# Altium PCB VNA_BASE_AF2P.PcbDoc (part 1 of 3) (continued)
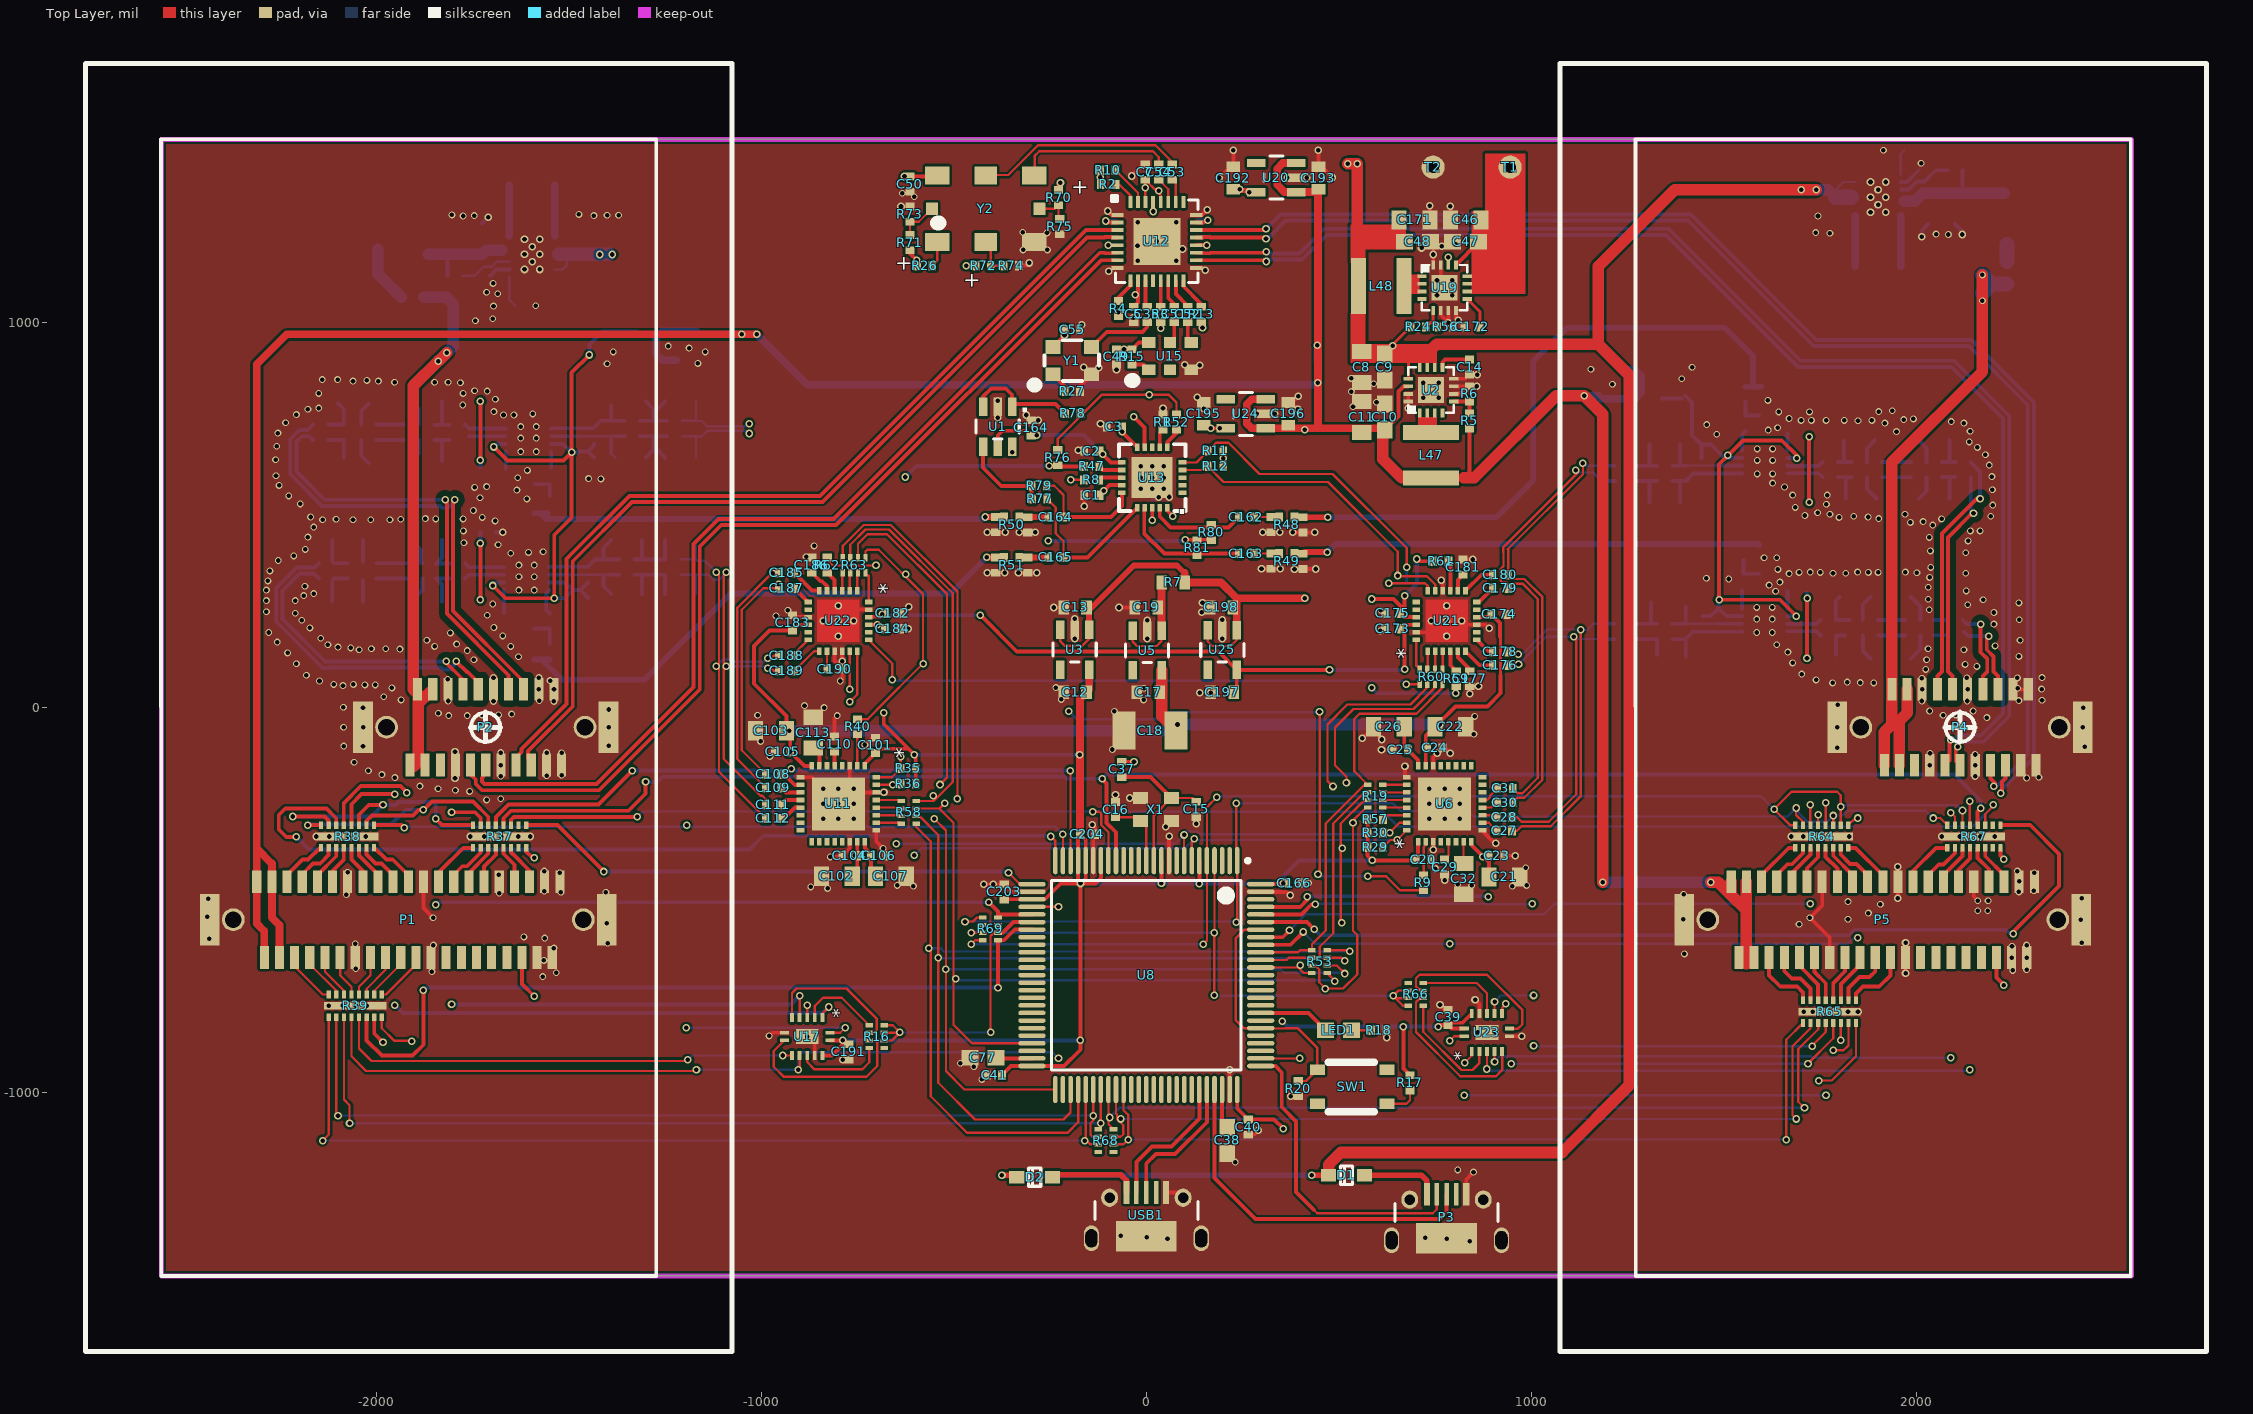
[diagram p0: Top Layer view]
## Components (designator, comment, footprint, x,y, rotation, side; value= is the part's Value field where it differs from the comment)
C1 "0.1uF" 0402 -141.69,551.48 r0 top
C2 "0.1uF" 0402 -141.69,666.48 r0 top
C3 "0.1uF" 0402 -83,729 r0 top
C4 "0.1uF" 0402 15.31,518.74 r270 bottom
C5 "0.1uF" 0402 -32.48,1021.1 r90 top
C6 "0.1uF" 0402 105,1200 r0 bottom
C7 "0.1uF" 0402 -2.48,1391.1 r270 top
C8 "Cap" 0805 559.69,884.69 r270 top value="22uF 25V"
C9 "Cap" 0603 619.69,884.69 r270 top value="4.7uF 25V"
C10 "Cap" 0603 619.69,754.69 r270 top value="4.7uF 25V"
C11 "Cap" 0805 559.69,754.69 r270 top value="22uF 25V"
C12 "4.7uF" 0603L -185,40 r0 top
C13 "4.7uF" 0603L -185,260 r0 top
C14 "3.3nF" 0402 839.69,884.69 r270 top
C15 "Cap" 0402 130,-265 r90 top value=20pF
C16 "Cap" 0402 -80,-265 r270 top value=20pF
C17 "4.7uF" 0603L 5,40 r0 top
C18 "220uF,Tan" 1210 10,-60 r0 top
C19 "4.7uF" 0603L 0,260 r0 top
C20 "0.1uF" 0402 720,-395 r180 top
C21 "4.7uF" 0805 930,-440 r180 top
C22 "4.7uF" 0805 790,-50 r180 top
C23 "0.1uF" 0402 910,-385 r180 top
C24 "0.1uF" 0402 750,-105 r180 top
C25 "0.1uF" 0402 660,-110 r0 top
C26 "4.7uF" 0805 630,-50 r0 top
C27 "10uF" 0402 930,-320 r0 top
C28 "10uF" 0402 930,-285 r0 top
C29 "4.7uF" 0402 775,-415 r90 top
C30 "10uF" 0402 932,-247 r180 top
C31 "10uF" 0402 932,-210 r180 top
C32 "22uF" 0805 825,-445 r90 top
C33 "0.1uF" 0402 -55,1200 r180 bottom
C34 "0.1uF" 0402 105,1260 r0 bottom
C35 "0.1uF" 0402 2.52,1021.1 r90 top
C36 "0.1uF" 0402 54.68,518.74 r270 bottom
C37 "0.1uF" 0402 -64,-161 r90 top
C38 "2.2uF" 0603 210,-1125 r90 top
C39 "0.1uF" 0402 784,-805 r270 top
C40 "Cap" 0402 265,-1090 r90 top value=0.1uF
C41 "Cap" 0402 -395,-955 r0 top value=0.1uF
C42 "1uF" 0805 -1762,979 r0 bottom value=10uF/16V
C43 "22uF" 0805 1781.17,1295.87 r270 bottom value=10uF/16V
C44 "22uF" 0805 1711.17,1295.87 r270 bottom value=10uF/16V
C45 "22uF" 0805 -1761,1049 r0 bottom value=10uF/16V
C46 "Cap" 0805 829.85,1266.8 r180 top value="22uF 25V"
C47 "Cap" 0603 830,1210 r180 top value="4.7uF 25V"
C48 "Cap" 0603 705,1210 r180 top value="4.7uF 25V"
C49 "0.1uF" 0402 -77.48,911.1 r90 top
C50 "0.1uF" 0402 -613.95,1359.77 r90 top
C51 "0.1uF" 0402 72.52,1021.1 r90 top
C52 "0.1uF" 0402 107.52,1021.1 r90 top
C53 "0.1uF" 0402 67.52,1391.1 r270 top
C54 "0.1uF" 0402 32.52,1391.1 r270 top
C55 "0.1uF" 0402 -192.48,981.1 r180 top
C56 "0.1uF" 0402 -1610,205 r0 bottom
C57 "0.1uF" 0402 -1590,145 r270 bottom
C58 "1nF" 0402 -1550,225 r270 bottom
C59 "1nF" 0402 -1650,245 r0 bottom
C60 "1uF" 0402 -1450,265 r90 bottom
C61 "100pF" 0402 -2130,335 r0 bottom
C62 "100pF" 0402 -2075,355 r270 bottom
C63 "100pF" 0402 -2020,335 r0 bottom
C64 "100pF" 0402 -1845,355 r270 bottom
C65 "100pF" 0402 -1790,335 r0 bottom
C66 "100pF" 0402 -1410,365 r270 bottom
C67 "100pF" 0402 -1350,345 r0 bottom
C68 "100pF" 0402 -1290,365 r270 bottom
C69 "100pF" 0402 -1230,345 r0 bottom
C70 "100pF" 0402 -1170,365 r270 bottom
C71 "100pF" 0402 -2020,375 r0 bottom
C72 "100pF" 0402 -1900,335 r0 bottom
C73 "100pF" 0402 -1790,375 r180 bottom
C74 "100pF" 0402 -1350,385 r180 bottom
C75 "100pF" 0402 -1230,385 r180 bottom
C76 "100pF" 0402 -2130,375 r0 bottom
C77 "2.2uF" 0603 -425,-910 r0 top
C78 "0.1uF" 0402 -1610,580 r0 bottom
C79 "0.1uF" 0402 -1590,525 r270 bottom
C80 "1nF" 0402 -1550,600 r270 bottom
C81 "1nF" 0402 -1650,615 r0 bottom
C82 "1uF" 0402 -1435,630 r90 bottom
C83 "100pF" 0402 -1910,695 r0 bottom
C84 "100pF" 0402 -1790,695 r0 bottom
C85 "100pF" 0402 -2145,695 r0 bottom
C86 "1uF" 0805 -1795.68,1217.63 r90 bottom value=10uF/16V
C87 "1uF" 0805 -1465.68,1217.63 r90 bottom value=10uF/16V
C88 "22uF" 0805 -1395.68,1217.63 r90 bottom value=10uF/16V
C89 "22uF" 0805 -1725.68,1217.63 r90 bottom value=10uF/16V
C90 "100pF" 0402 -1335,705 r0 bottom
C91 "100pF" 0402 -1280,725 r270 bottom
C92 "100pF" 0402 -1225,705 r0 bottom
C93 "100pF" 0402 -1170,725 r270 bottom
C94 "100pF" 0402 -1335,745 r180 bottom
C95 "100pF" 0402 -1225,745 r180 bottom
C96 "100pF" 0402 -1965,715 r90 bottom
C97 "100pF" 0402 -2145,735 r0 bottom
C98 "100pF" 0402 -2020,735 r0 bottom
C99 "100pF" 0402 -1910,735 r180 bottom
C100 "100pF" 0402 -1790,735 r180 bottom
C101 "0.1uF" 0402 -703.79,-98.07 r270 top
C102 "4.7uF" 0805 -803.79,-438.07 r0 top
C103 "4.7uF" 0805 -975,-60 r0 top
C104 "0.1uF" 0402 -770,-385 r0 top
C105 "0.1uF" 0402 -945,-115 r0 top
C106 "0.1uF" 0402 -695,-385 r180 top
C107 "4.7uF" 0805 -663.79,-438.07 r180 top
C108 "10uF" 0402 -968.79,-173.07 r180 top
C109 "10uF" 0402 -968.79,-208.07 r180 top
C110 "4.7uF" 0402 -810,-95 r270 top
C111 "10uF" 0402 -968.79,-253.07 r0 top
C112 "10uF" 0402 -968.79,-288.07 r0 top
C113 "22uF" 0805 -865,-65 r270 top
C114 "0.1uF" 0402 1612.01,758.39 r180 bottom
C115 "0.1uF" 0402 1597.01,813.39 r90 bottom
C116 "1nF" 0402 1557.01,738.39 r90 bottom
C117 "1nF" 0402 1652.01,718.39 r180 bottom
C118 "1uF" 0402 1442.01,703.39 r270 bottom
C119 "100pF" 0402 1892.01,638.39 r180 bottom
C120 "100pF" 0402 1777.01,638.39 r180 bottom
C121 "100pF" 0402 2122.01,638.39 r180 bottom
C122 "100pF" 0402 2067.01,618.39 r90 bottom
C123 "100pF" 0402 2007.01,638.39 r180 bottom
C124 "100pF" 0402 1832.01,618.39 r90 bottom
C125 "100pF" 0402 1402.01,608.39 r90 bottom
C126 "100pF" 0402 1347.01,628.39 r180 bottom
C127 "100pF" 0402 1292.01,608.39 r90 bottom
C128 "100pF" 0402 1237.01,628.39 r180 bottom
C129 "100pF" 0402 1182.01,608.39 r90 bottom
C130 "100pF" 0402 -1960,355 r90 bottom
C131 "100pF" 0402 -1900,375 r180 bottom
C132 "100pF" 0402 1347.01,588.39 r0 bottom
C133 "100pF" 0402 1237.01,588.39 r0 bottom
C134 "100pF" 0402 1952.01,618.39 r270 bottom
C135 "100pF" 0402 2122.01,598.39 r180 bottom
C136 "100pF" 0402 2007.01,598.39 r180 bottom
C137 "100pF" 0402 1892.01,598.39 r0 bottom
C138 "100pF" 0402 1777.01,598.39 r0 bottom
C139 "0.1uF" 0402 1611.42,347.64 r180 bottom
C140 "0.1uF" 0402 1591.42,402.64 r90 bottom
C141 "1nF" 0402 1551.42,327.64 r90 bottom
C142 "1nF" 0402 1651.42,307.64 r180 bottom
C143 "1uF" 0402 1486.42,312.64 r270 bottom
C144 "100pF" 0402 1881.42,227.64 r180 bottom
C145 "100pF" 0402 1771.42,227.64 r180 bottom
C146 "100pF" 0402 2101.42,227.64 r180 bottom
C147 "100pF" 0402 2046.42,207.64 r90 bottom
C148 "100pF" 0402 1991.42,227.64 r180 bottom
C149 "100pF" 0402 1826.42,207.64 r90 bottom
C150 "100pF" 0402 1401.42,197.64 r90 bottom
C151 "100pF" 0402 1346.42,217.64 r180 bottom
C152 "100pF" 0402 1291.42,197.64 r90 bottom
C153 "100pF" 0402 1236.42,217.64 r180 bottom
C154 "100pF" 0402 1176.42,197.64 r90 bottom
C155 "100pF" 0402 1346.42,177.64 r0 bottom
C156 "100pF" 0402 1236.42,177.64 r0 bottom
C157 "100pF" 0402 1936.42,207.64 r270 bottom
C158 "100pF" 0402 2101.42,187.64 r180 bottom
C159 "100pF" 0402 1991.42,187.64 r180 bottom
C160 "100pF" 0402 1881.42,187.64 r0 bottom
C161 "100pF" 0402 1771.42,187.64 r0 bottom
C162 "1nF" 0402 260,495 r0 top
C163 "1nF" 0402 260,400 r0 top
C164 "1nF" 0402 -299,727 r270 top
C164 "1nF" 0402 -235,495 r180 top
C165 "1nF" 0402 -235,390 r180 top
C166 "Cap" 0402 385,-456 r180 top value=0.1uF
C167 "100pF" 0402 -2085,715 r270 bottom
C168 "100pF" 0402 -2020,695 r0 bottom
C169 "100pF" 0402 -1850,715 r270 bottom
C170 "100pF" 0402 -1390,725 r270 bottom
C171 "Cap" 0805 696.85,1266.8 r180 top value="22uF 25V"
C172 "3.3nF" 0402 846.85,988.92 r180 top
C173 "1uF" 0402 640,205 r0 top
C174 "1uF" 0402 917,242 r180 top
C175 "1uF" 0402 640,245 r0 top
C176 "0.1uF" 0402 920,110 r0 top
C177 "1uF" 0402 840,75 r270 top
C178 "0.1uF" 0402 920,145 r0 top
C179 "0.1uF" 0402 920,310 r0 top
C180 "0.1uF" 0402 920,345 r0 top
C181 "1uF" 0402 823,365 r270 top
C182 "1uF" 0402 -659.09,245.04 r180 top
C183 "1uF" 0402 -919.09,220.04 r270 top
C184 "1uF" 0402 -659.09,205.04 r180 top
C185 "0.1uF" 0402 -934.09,350.04 r180 top
C186 "1uF" 0402 -869.09,370.04 r90 top
C187 "0.1uF" 0402 -934.09,310.04 r180 top
C188 "0.1uF" 0402 -934.09,135.04 r180 top
C189 "0.1uF" 0402 -934.09,95.04 r180 top
C190 "1uF" 0402 -809.09,100.04 r180 top
C191 "0.1uF" 0402 -773,-895 r90 top
C192 "4.7uF" 0603L 226.21,1375.72 r270 top
C193 "4.7uF" 0603L 447.21,1375.72 r270 top
C194 "0.1uF" 0402 -55,1260 r180 bottom
C195 "4.7uF" 0603L 148.96,762.94 r270 top
C196 "4.7uF" 0603L 368.96,762.94 r270 top
C197 "4.7uF" 0603L 197.44,39.96 r0 top
C198 "4.7uF" 0603L 195,260 r0 top
C199 "4.7uF" 0603L -1387,940 r90 bottom
C200 "4.7uF" 0603L -1162,940 r90 bottom
C201 "4.7uF" 0603L 1400,840 r270 bottom
C202 "4.7uF" 0603L 1175,840 r270 bottom
C203 "Cap" 0402 -369,-479 r270 top value=0.1uF
C204 "Cap" 0402 -153,-329 r180 top value=0.1uF
C205 "22uF" 0805 2101.17,1295.87 r270 bottom value=10uF/16V
C206 "1uF" 0805 2132,1057 r180 bottom value=10uF/16V
C207 "22uF" 0805 2031.17,1295.87 r270 bottom value=10uF/16V
C208 "22uF" 0805 2132.29,1124.02 r180 bottom value=10uF/16V
C209 "100nF" 0402 -1621,1045 r0 bottom
C210 "100nF" 0402 1950,1448 r180 bottom
D1 "" LC-SOD-323 520,-1215 r0 top
D2 "" LC-SOD-323 -290,-1220 r0 top
L1 "Inductor" 0402 -1550,145 r270 bottom value=10nH
L2 "2.2uH" L4015 -1655.68,1357.63 r0 bottom
L3 "2.2uH" L4015 1842.11,1146.81 r0 bottom
L4 "0R" 0805 -2075,275 r0 bottom
L5 "0R" 0805 -1870,435 r180 bottom
L6 "0R" 0805 -1350,295 r0 bottom
L7 "0R" 0805 -1210,295 r0 bottom
L8 "0R" 0805 -2075,435 r180 bottom
L9 "0R" 0805 -1870,275 r0 bottom
L10 "0R" 0805 -1350,435 r180 bottom
L11 "0R" 0805 -1210,435 r180 bottom
L12 "100nH" 0402 -1730,395 r90 bottom
L13 "100nH" 0402 -1730,315 r90 bottom
L14 "Inductor" 0402 -1550,530 r270 bottom value=10nH
L15 "0R" 0805 -1340,650 r0 bottom
L16 "0R" 0805 -1210,650 r0 bottom
L17 "0R" 0805 -2060,635 r0 bottom
L18 "0R" 0805 -1870,640 r0 bottom
L19 "0R" 0805 -2060,790 r180 bottom
L20 "0R" 0805 -1870,795 r180 bottom
L21 "0R" 0805 -1340,795 r180 bottom
L22 "0R" 0805 -1210,795 r180 bottom
L23 "100nH" 0402 -1730,680 r90 bottom
L24 "100nH" 0402 -1730,755 r90 bottom
L25 "Inductor" 0402 1557.01,813.39 r90 bottom value=10nH
L26 "0R" 0805 1347.01,683.39 r180 bottom
L27 "0R" 0805 1217.01,683.39 r180 bottom
L28 "0R" 0805 2047.01,693.39 r180 bottom
L29 "0R" 0805 1852.01,693.39 r180 bottom
L30 "0R" 0805 2047.01,543.39 r0 bottom
L31 "0R" 0805 1857.01,543.39 r0 bottom
L32 "0R" 0805 1347.01,533.39 r0 bottom
L33 "0R" 0805 1217.01,533.39 r0 bottom
L34 "100nH" 0402 1722.01,658.39 r270 bottom
L35 "100nH" 0402 1722.01,578.39 r270 bottom
L36 "Inductor" 0402 1551.42,402.64 r90 bottom value=10nH
L37 "0R" 0805 1351.42,272.64 r180 bottom
L38 "0R" 0805 1216.42,272.64 r180 bottom
L39 "0R" 0805 2026.42,287.64 r180 bottom
L40 "0R" 0805 1841.42,287.64 r180 bottom
L41 "0R" 0805 2026.42,127.64 r0 bottom
L42 "0R" 0805 1841.42,127.64 r0 bottom
L43 "0R" 0805 1351.42,122.64 r0 bottom
L44 "0R" 0805 1216.42,122.64 r0 bottom
L45 "100nH" 0402 1716.42,247.64 r270 bottom
L46 "100nH" 0402 1716.42,167.64 r270 bottom
L47 "2.2uH" L4015 739.69,714.69 r270 top
L48 "2.2uH" L4015 669.13,1094.8 r180 top
L49 "2.2uH" L4015 -1879,1191 r180 bottom
L50 "2.2uH" L4015 2239,1335 r270 bottom
LED1 "LED0" 0603 499.21,-838.12 r0 top
P1 "DF9-41S" VNA_CHANNEL -2559.06,-1476.38 r0 top
P2 "DF9-21" DF9-21P -1716,-51 r180 bottom
P3 "SWD_MicroUSB" MICRO-YZX 780,-1495 r0 top
P4 "DF9-21" DF9-21P 2114.17,-51.18 r180 bottom
P5 "DF9-41S" VNA_CHANNEL 1271.65,-1476.38 r0 top
R1 "10k" 0402 43.31,741.48 r270 top
R2 "NC" 0402 -99,1359 r0 top
R3 "NC" 0402 37.52,1021.1 r90 top
R4 "NC" 0402 -72.48,1036.1 r90 top
R5 "51k 1%" 0402 839.69,744.69 r90 top
R6 "10k 1%" 0402 839.69,814.69 r90 top
R7 "FB" 0603L 70,325 r0 top value=0Ohm
R8 "22R" 0402 -141.69,591.48 r180 top
R9 "22R" 0402 720,-455 r270 top
R10 "NC" 0402 -100,1396 r0 top
R11 "4.7k" 0402 179.9,666.68 r180 top
R12 "4.7k" 0402 179.9,626.68 r180 top
R13 "NC" 0402 142.52,1021.1 r90 top
R14 "100k" 0402 -1795.68,1121.63 r0 bottom
R15 "NC" 0402 -37.48,911.1 r270 top
R16 "50R*4" 0402X4 -700,-855 r0 top
R17 "1k" 0402 685,-975 r90 top value=0Ohm
R18 "10k" 0402 604.21,-838.12 r0 top value=0Ohm
R19 "50R*4" 0402X4 595,-230 r0 top
R20 "Res2" 0402 395,-990 r270 top value=10k
R21 "100k" 0402 2101.17,1395.87 r180 bottom
R22 "11k" 0402 2031.17,1395.87 r180 bottom
R23 "FB" 0603L -1906,1066 r180 bottom value=0Ohm
R24 "51k 1%" 0402 705.85,988.92 r0 top
R25 "50R" 0402 -1475,685 r270 bottom
R26 "NC" 0402 -576.23,1147.95 r0 top
R27 "NC" 0402 -192.48,821.1 r0 top
R28 "50R" 0402 -1490,325 r270 bottom
R29 "Res2" 0402 594.91,-362.96 r180 top value=10k
R30 "Res2" 0402 595,-325 r180 top value=10k
R31 "50R" 0402 -1450,345 r270 bottom
R32 "2R" 0402 -1710,455 r180 bottom
R33 "50R" 0402 -1435,705 r270 bottom
R34 "2R" 0402 -1730,605 r90 bottom
R35 "Res2" 0402 -618.79,-158.07 r0 top value=10k
R36 "Res2" 0402 -618.79,-198.07 r0 top value=10k
R37 "NUF8xxx" NUF8XXX -1680,-335 r0 top
R38 "NUF8xxx" NUF8XXX -2075,-335 r0 top
R39 "NUF8xxx" NUF8XXX -2055,-775 r0 top
R40 "22R" 0402 -750,-50 r90 top
R41 "50R" 0402 1482.01,648.39 r90 bottom
R42 "50R" 0402 1442.01,628.39 r90 bottom
R43 "2R" 0402 1722.01,733.39 r270 bottom
R44 "50R" 0402 1486.42,237.64 r90 bottom
R45 "50R" 0402 1446.42,217.64 r90 bottom
R46 "2R" 0402 1716.42,317.64 r270 bottom
R47 "22R" 0402 -141.69,626.48 r180 top
R48 "PiFilter" PIFIITER 365,495 r0 top
R49 "PiFilter" PIFIITER 365,400 r0 top
R50 "PiFilter" PIFIITER -350,495 r0 top
R51 "PiFilter" PIFIITER -350,390 r0 top
R52 "22R" 0402 78.31,741.48 r90 top
R53 "NC" 0402X4 450,-660 r180 top
R54 "11k" 0402 -1725.68,1121.63 r0 bottom
R55 "FB" 0603L 2236,1130 r90 bottom value=0Ohm
R56 "10k 1%" 0402 775.85,988.92 r0 top
R57 "22R" 0402 595,-290 r0 top
R58 "50R*4" 0402X4 -617.41,-272.13 r180 top
R59 "Res2" 0402 805,75 r270 top value=10k
R60 "Res*4" 0402X4 740,80 r270 top value=200Ohm
R61 "Res2" 0402 765,380 r0 top value=10k
R62 "Res2" 0402 -829.09,370.04 r90 top value=10k
R63 "Res*4" 0402X4 -759.09,370.04 r90 top value=200Ohm
R64 "NUF8xxx" NUF8XXX 1755,-335 r0 top
R65 "NUF8xxx" NUF8XXX 1775,-790 r0 top
R66 "50R*4" 0402X4 700,-745 r180 top
R67 "NUF8xxx" NUF8XXX 2150,-335 r0 top
R68 "NC" 0402X4 -105,-1125 r180 top
R69 "NC" 0402X4 -405,-575 r0 top
R70 "NC" 0402 -228,1325 r270 top
R71 "NC" 0402 -614,1208 r270 top
R72 "NC" 0402 -424,1148 r180 top
R73 "NC" 0402 -614,1282 r270 top
R74 "NC" 0402 -351,1148 r180 top
R75 "NC" 0402 -225,1249 r90 top
R76 "22R" 0402 -230,649 r90 top
R77 "TBD" 0402 -277,542 r180 top
R78 "22R" 0402 -191,764 r0 top
R79 "TBD" 0402 -278,576 r180 top
R80 "TBD" 0402 169,455 r270 top
R81 "TBD" 0402 132,415 r90 top
SW1 "SW-PB" SW3x4 535,-985 r0 top
T1 "TestPad" TestPad 945.12,1403.94 r90 top
T2 "TestPad" TestPad 745.12,1403.94 r180 top
U1 "74-2G04/14" SOT23-6 -386,730 r180 top
U2 "TPS62130" TPS62130 739.69,824.69 r90 top
U3 "LP5907" SOT23-5 -185.95,150.41 r180 top
U5 "LP5907" SOT23-5 2.18,148.55 r180 top
U6 "ADAU1761" ADAU1761 775,-250 r90 top
U7 "TPS63020" TPS63020 -1595.68,1177.63 r90 bottom
U8 "STM32F407VET6" STM-LQFP100_N 0,-695 r270 top
U9 "LT5560" LT5560 -1605,695 r0 bottom
U10 "TPS63020" TPS63020 1901.17,1325.87 r270 bottom
U11 "ADAU1761" ADAU1761 -800,-250 r270 top
U12 "LM00304-FUNC" LMK00304 27.52,1211.1 r0 top
U13 "SI5351C" SI5351C 15.31,597.48 r180 top
U14 "LT5560" LT5560 1607.01,638.39 r180 bottom
U15 "OSC_DIFF" OSC3225_DIFF 61.52,913.1 r0 top
U16 "LT5560" LT5560 1606.42,227.64 r180 bottom
U17 "74-125-FUNC" 74LVC125ABQ -880.98,-854.71 r270 top
U18 "LT5560" LT5560 -1610,335 r0 bottom
U19 "TPS62130" TPS62130 774.85,1090.92 r0 top
U20 "LP5907" SOT23-5 338.21,1376.72 r90 top
U21 "TLV320ADC3101" TLV320ADC3101 780,225 r90 top
U22 "TLV320ADC3101" TLV320ADC3101 -800,225 r270 top
U23 "74-125-FUNC" 74LVC125ABQ 885,-844 r90 top
U24 "LP5907" SOT23-5 258.96,762.94 r90 top
U25 "LP5907" SOT23-5 197.44,149.96 r180 top
U26 "LP5907" SOT23-5 -1272,940 r270 bottom
U27 "LP5907" SOT23-5 1287.71,839.98 r90 bottom
USB1 "USB Micro Type B" MICRO-YZX 0,-1490 r0 top
X1 "24.000 KHz 3.2x2.5mm 8-10pf" OSCILLATOR-2.5x2.0 25,-265 r0 top
Y1 "OSC_40M" TXC_7Q -192.48,901.1 r0 top
Y2 "OSC_DIFF_TI" OSC7050-LMK61PD0A2 -417,1296 r0 top

## Footprints (in the part's own frame and the unit in brackets; to place one, negate y for a bottom-side part, rotate by r counter-clockwise, add the part's x,y. Pads: shape width x height; smd on the part's side, far side on the other; paste and mask are expansions set on the pad)
74LVC125ABQ [mm]
  rect 1x1.5 smd: 0(0,0)
  rect 0.25x0.6 smd: 1(-0.25,1.5) 7(-0.25,-1.5) 8(0.25,-1.5) 14(0.25,1.5)
  rect 0.6x0.25 smd: 2(-1.25,1) 3(-1.25,0.5) 4(-1.25,0) 5(-1.25,-0.5) 6(-1.25,-1) 9(1.25,-1) 10(1.25,-0.5) 11(1.25,0) 12(1.25,0.5) 13(1.25,1)
  body extent -1.25,-1.5 1.25,1.5, height 1
0402 [mil] "0402-RES"
  rect 20x24 smd: 1(-19.68,0) 2(20,0)
0402X4 [mm]
  rect 0.5x0.28 smd: 1(-0.5,0.75) 2(-0.5,0.25) 3(-0.5,-0.25) 4(-0.5,-0.75) 5(0.5,-0.75) 6(0.5,-0.25) 7(0.5,0.25) 8(0.5,0.75)
0603 [mil] "0603-RES"
  rect 44x40 smd: 1(-33.46,0) 2(34,0)
  body extent -31,-16 31,16, height 31
0603L [mm]
  rect 0.7x0.9 smd: 1(-0.75,0) 2(0.75,0)
  body extent -0.8,-0.4 0.8,0.4, height 0.8
0805 [mil]
  rect 39.37x50 smd: 1(-40,0) 2(40,0)
  body extent -50,-30 50,30, height 31
1210 [mm]
  rect 1.52x2.5 smd: 1(-1.715,0) 2(1.715,0)
ADAU1761 [mm]
  rect 3.5x3.5 smd: 0(0,0)
  rect 0.5x0.3 smd: 1(-2.5,1.75) 2(-2.5,1.25) 3(-2.5,0.75) 4(-2.5,0.25) 5(-2.5,-0.25) 6(-2.5,-0.75) 7(-2.5,-1.25) 8(-2.5,-1.75) 17(2.5,-1.75) 18(2.5,-1.25) 19(2.5,-0.75) 20(2.5,-0.25) 21(2.5,0.25) 22(2.5,0.75) 23(2.5,1.25) 24(2.5,1.75)
  rect 0.3x0.5 smd: 9(-1.75,-2.5) 10(-1.25,-2.5) 11(-0.75,-2.5) 12(-0.25,-2.5) 13(0.25,-2.5) 14(0.75,-2.5) 15(1.25,-2.5) 16(1.75,-2.5) 25(1.75,2.5) 26(1.25,2.5) 27(0.75,2.5) 28(0.25,2.5) 29(-0.25,2.5) 30(-0.75,2.5) 31(-1.25,2.5) 32(-1.75,2.5)
  body extent -2.5,-2.5 2.5,2.5, height 0.8
DF9-21P [mm]
  rect 1.3x3.4 smd far side: 0(-8.1,0) 0(8.1,0)
  round 1.5 hole 1.1: 0(-6.55,0) 0(6.55,0)
  rect 0.6x1.5 smd far side: 1(-5,-2.5) 2(-4,-2.5) 3(-3,-2.5) 4(-2,-2.5) 5(-1,-2.5) 6(0,-2.5) 7(1,-2.5) 8(2,-2.5) 9(3,-2.5) 10(4,-2.5) 11(5,-2.5) 12(4.5,2.5) 13(3.5,2.5) 14(2.5,2.5) 15(1.5,2.5) 16(0.5,2.5) 17(-0.5,2.5) 18(-1.5,2.5) 19(-2.5,2.5) 20(-3.5,2.5) 21(-4.5,2.5)
  body extent -8.08,-2.83 8.02,2.77, height 0.2
L4015 [mm]
  rect 1x3.7 smd: 1(0,0) 2(3,0)
LC-SOD-323 [mm]
  rect 1x0.83 smd: 1(1.18,0) 2(-1.18,0)
  silkscreen extent -0.4,-0.6 0.4,0.6, body extent -1.35,-0.62 1.35,0.63, height 1.1
LMK00304 [mm]
  rect 3.1x3.1 smd paste-1.537 mask+0.051: 0(0,0)
  rect 0.8x0.25 smd: 1(-2.6,1.75) 2(-2.6,1.25) 3(-2.6,0.75) 4(-2.6,0.25) 5(-2.6,-0.25) 6(-2.6,-0.75) 7(-2.6,-1.25) 8(-2.6,-1.75) 17(2.6,-1.75) 18(2.6,-1.25) 19(2.6,-0.75) 20(2.6,-0.25) 21(2.6,0.25) 22(2.6,0.75) 23(2.6,1.25) 24(2.6,1.75)
  rect 0.25x0.8 smd: 9(-1.75,-2.6) 10(-1.25,-2.6) 11(-0.75,-2.6) 12(-0.25,-2.6) 13(0.25,-2.6) 14(0.75,-2.6) 15(1.25,-2.6) 16(1.75,-2.6) 25(1.75,2.6) 26(1.25,2.6) 27(0.75,2.6) 28(0.25,2.6) 29(-0.25,2.6) 30(-0.75,2.6) 31(-1.25,2.6) 32(-1.75,2.6)
  silkscreen extent -3,-2.73 2.73,3.03, body extent -2.5,-2.5 2.5,2.5, height 0.85
LT5560 [mm]
  rect 1.6x2.4 smd: 0(0,0)
  rect 0.65x0.25 smd: 1(-1.5,0.75) 2(-1.5,0.25) 3(-1.5,-0.25) 4(-1.5,-0.75) 5(1.5,-0.75) 6(1.5,-0.25) 7(1.5,0.25) 8(1.5,0.75)
  silkscreen extent -2,1.75 -1.5,2.25, body extent -1.5,-1.5 1.5,1.5, height 0.75
MICRO-YZX [mm]
  rect 0.4x1.5 smd: 1(-1.3,5.85) 5(1.3,5.85)
  rect 0.3x1.5 smd: 2(-0.65,5.85) 3(0,5.85) 4(0.65,5.85)
  oval 1x1.7 hole 0.8 slot 1.2 at 90 deg: 5(-3.625,2.82) 5(3.625,2.82)
  oval 1.1x1.2 hole 0.7: 5(-2.425,5.5) 5(2.425,5.5)
  rect 4x2 smd: 5(0,2.95)
  silkscreen extent -3.4,4.05 3.4,5.25, body extent -4.02,0.33 3.98,5.93, height 2.6
NUF8XXX [mm]
  rect 4.1x0.5 smd: 0(0,0)
  rect 0.28x0.51 smd: 1(-1.75,-0.75) 2(-1.25,-0.75) 3(-0.75,-0.75) 4(-0.25,-0.75) 5(0.25,-0.75) 6(0.75,-0.75) 7(1.25,-0.75) 8(1.75,-0.75) 9(1.75,0.75) 10(1.25,0.75) 11(0.75,0.75) 12(0.25,0.75) 13(-0.25,0.75) 14(-0.75,0.75) 15(-1.25,0.75) 16(-1.75,0.75)
  body extent -2,-0.8 2,0.8, height 0.9
OSC3225_DIFF [mm]
  rect 0.9x0.7 smd: 1(-1.4,-0.9) 3(1.4,-0.9) 4(1.4,0.9) 6(-1.4,0.9)
  rect 0.8x0.7 smd: 2(0,-0.9) 5(0,0.9)
  silkscreen extent -2.52,-1.6 -2.45,-1.6, body extent -1.6,-1.27 1.6,1.27, height 1.05
OSC7050-LMK61PD0A2 [mm]
  rect 1.6x1.2 smd: 1(-3.2,-2.2) 3(3.2,-2.2) 4(3.2,2.2) 6(-3.2,2.2)
  rect 1.5x1.2 smd: 2(0,-2.2) 5(0,2.2)
  rect 0.8x0.8 smd: 7(-3.556,0) 8(3.556,0)
  silkscreen extent -3.17,-0.95 -3.1,-0.95, body extent -3.75,-2.5 3.75,2.5, height 1.5
OSCILLATOR-2.5x2.0 [mil] "OSCILLATOR-3.2X2.5"
  rect 39.37x31.5 smd: 1(-40,-30) 2(40,-30) 3(40,30) 4(-40,30)
  body extent -50,-40 50,40, height 35
PIFIITER [mil]
  rect 24x20 smd: 1(-41,0) 2(42,-0.31) 3(-41,-39.68) 3(42,-40)
  rect 20x24 smd: 1(-19.69,0) 2(20,0)
SI5351C [mm]
  rect 2.7x2.7 smd: 0(0,0)
  rect 0.5x0.3 smd: 1(-2,1) 2(-2,0.5) 3(-2,0) 4(-2,-0.5) 5(-2,-1) 11(2,-1) 12(2,-0.5) 13(2,0) 14(2,0.5) 15(2,1)
  rect 0.3x0.5 smd: 6(-1,-2) 7(-0.5,-2) 8(0,-2) 9(0.5,-2) 10(1,-2) 16(1,2) 17(0.5,2) 18(0,2) 19(-0.5,2) 20(-1,2)
  silkscreen extent -2.2,-2.2 2.2,2.2, body extent -2,-2 2,2, height 0.65
SOT23-5 [mil] "SOT23-5"
  rect 22x48 smd: 1(-37.4,-51.19) 2(0,-51.19) 3(38,-51.19) 4(38,52) 5(-37.4,52)
  silkscreen extent -56,-17 56,32, body extent -57,-55 57,55, height 47
SOT23-6 [mil] "SOT23-5"
  rect 22x48 smd: 1(-37.4,-51.19) 2(0,-51.19) 3(38,-51.19) 4(38,52) 5(0,52.01) 6(-37.4,52)
  silkscreen extent -76,-50 56,32
STM-LQFP100_N [mm] "Thin QFP, 100-Leads, Body 14x14mm, Pitch 0.5mm, IPC Medium Density"
  oval 1.8x0.3 smd: 1(-7.55,6) 2(-7.55,5.5) 3(-7.55,5) 4(-7.55,4.5) 5(-7.55,4) 6(-7.55,3.5) 7(-7.55,3) 8(-7.55,2.5) 9(-7.55,2) 10(-7.55,1.5) 11(-7.55,1) 12(-7.55,0.5) 13(-7.55,0) 14(-7.55,-0.5) 15(-7.55,-1) 16(-7.55,-1.5) 17(-7.55,-2) 18(-7.55,-2.5) 19(-7.55,-3) 20(-7.55,-3.5) 21(-7.55,-4) 22(-7.55,-4.5) 23(-7.55,-5) 24(-7.55,-5.5) 25(-7.55,-6) 51(7.55,-6) 52(7.55,-5.5) 53(7.55,-5) 54(7.55,-4.5) 55(7.55,-4) 56(7.55,-3.5) 57(7.55,-3) 58(7.55,-2.5) 59(7.55,-2) 60(7.55,-1.5) 61(7.55,-1) 62(7.55,-0.5) 63(7.55,0) 64(7.55,0.5) 65(7.55,1) 66(7.55,1.5) 67(7.55,2) 68(7.55,2.5) 69(7.55,3) 70(7.55,3.5) 71(7.55,4) 72(7.55,4.5) 73(7.55,5) 74(7.55,5.5) 75(7.55,6)
  oval 0.3x1.8 smd: 26(-6,-7.55) 27(-5.5,-7.55) 28(-5,-7.55) 29(-4.5,-7.55) 30(-4,-7.55) 31(-3.5,-7.55) 32(-3,-7.55) 33(-2.5,-7.55) 34(-2,-7.55) 35(-1.5,-7.55) 36(-1,-7.55) 37(-0.5,-7.55) 38(0,-7.55) 39(0.5,-7.55) 40(1,-7.55) 41(1.5,-7.55) 42(2,-7.55) 43(2.5,-7.55) 44(3,-7.55) 45(3.5,-7.55) 46(4,-7.55) 47(4.5,-7.55) 48(5,-7.55) 49(5.5,-7.55) 50(6,-7.55) 76(6,7.55) 77(5.5,7.55) 78(5,7.55) 79(4.5,7.55) 80(4,7.55) 81(3.5,7.55) 82(3,7.55) 83(2.5,7.55) 84(2,7.55) 85(1.5,7.55) 86(1,7.55) 87(0.5,7.55) 88(0,7.55) 89(-0.5,7.55) 90(-1,7.55) 91(-1.5,7.55) 92(-2,7.55) 93(-2.5,7.55) 94(-3,7.55) 95(-3.5,7.55) 96(-4,7.55) 97(-4.5,7.55) 98(-5,7.55) 99(-5.5,7.55) 100(-6,7.55)
  silkscreen extent -7.67,-6.25 6.25,6.83, body extent -7,-7 7,7, height 1.6
SW3x4 [mm]
  rect 1x0.7 smd: 1(-2.3,1.125) 2(2.3,-1.125) 3(2.3,1.125) 4(-2.3,-1.125)
  silkscreen extent -1.58,-1.65 1.45,1.63, body extent -2,-1.5 2,1.5, height 2.6
TestPad [mil]
  round 60 hole 30: 1(0,0)
TLV320ADC3101 [mm]
  round 0.5 hole 0.3: 0(-1,0) 0(0,1) 0(0,0) 0(0,-1) 0(1,0)
  rect 0.5x0.3 smd: 1(-2,1.25) 2(-2,0.75) 3(-2,0.25) 4(-2,-0.25) 5(-2,-0.75) 6(-2,-1.25) 13(2,-1.25) 14(2,-0.75) 15(2,-0.25) 16(2,0.25) 17(2,0.75) 18(2,1.25)
  rect 0.3x0.5 smd: 7(-1.25,-2) 8(-0.75,-2) 9(-0.25,-2) 10(0.25,-2) 11(0.75,-2) 12(1.25,-2) 19(1.25,2) 20(0.75,2) 21(0.25,2) 22(-0.25,2) 23(-0.75,2) 24(-1.25,2)
  Top Layer region: -1.4,-1.4 1.4,-1.4 1.4,1.4 -1.4,1.4
  body extent -2,-2 2,2, height 0.8
TPS62130 [mm]
  rect 1.7x1.7 smd: 0(0,0)
  rect 0.6x0.25 smd: 1(-1.5,0.75) 2(-1.5,0.25) 3(-1.5,-0.25) 4(-1.5,-0.75) 9(1.5,-0.75) 10(1.5,-0.25) 11(1.5,0.25) 12(1.5,0.75)
  rect 0.25x0.6 smd: 5(-0.75,-1.5) 6(-0.25,-1.5) 7(0.25,-1.5) 8(0.75,-1.5) 13(0.75,1.5) 14(0.25,1.5) 15(-0.25,1.5) 16(-0.75,1.5)
  silkscreen extent -1.5,-1.5 1.5,1.5, body extent -1.5,-1.5 1.5,1.5, height 0.6
TPS63020 [mm]
  rect 0.8x0.2 smd: 0(-1.8,-0.68) 0(-1.8,-0.25) 0(-1.8,0.25) 0(-1.8,0.68) 0(1.8,-0.68) 0(1.8,-0.25) 0(1.8,0.25) 0(1.8,0.68)
  rect 2.85x1.58 smd: 0(0,0)
  rect 0.25x0.6 smd: 1(-1.5,-1.5) 2(-1,-1.5) 3(-0.5,-1.5) 4(0,-1.5) 5(0.5,-1.5) 6(1,-1.5) 7(1.5,-1.5) 8(1.5,1.5) 9(1,1.5) 10(0.5,1.5) 11(0,1.5) 12(-0.5,1.5) 13(-1,1.5) 14(-1.5,1.5)
  silkscreen extent -2.33,-1.6 2,1.5, body extent -2,-1.5 2,1.5, height 1
TXC_7Q [mm]
  rect 1x0.9 smd: 1(-1.275,-0.9) 2(1.275,-0.9) 3(1.275,0.9) 4(-1.275,0.9)
  silkscreen extent -2.52,-1.6 1.78,1.35
VNA_CHANNEL [mm]
  rect 1.3x3.4 smd: 0(3.2,23.5) 0(29.4,23.5)
  round 1.5 hole 1.1: 0(4.75,23.5) 0(27.85,23.5)
  rect 0.6x1.5 smd: 1(6.3,26) 2(7.3,26) 3(8.3,26) 4(9.3,26) 5(10.3,26) 6(11.3,26) 7(12.3,26) 8(13.3,26) 9(14.3,26) 10(15.3,26) 11(16.3,26) 12(17.3,26) 13(18.3,26) 14(19.3,26) 15(20.3,26) 16(21.3,26) 17(22.3,26) 18(23.3,26) 19(24.3,26) 20(25.3,26) 21(26.3,26) 22(25.8,21) 23(24.8,21) 24(23.8,21) 25(22.8,21) 26(21.8,21) 27(20.8,21) 28(19.8,21) 29(18.8,21) 30(17.8,21) 31(16.8,21) 32(15.8,21) 33(14.8,21) 34(13.8,21) 35(12.8,21) 36(11.8,21) 37(10.8,21) 38(9.8,21) 39(8.8,21) 40(7.8,21) 41(6.8,21)
  silkscreen extent -5,-5 37.66,80, body extent 3.28,20.7 29.38,26.3, height 0.4

## Part data
C1 C2 C3 C4 C5 C6 C7 C33 C34 C35 C36 C49 C50 C51 C52 C53 C54 C55 C56 C57 C58 C59 C60 C61 C62 C63 C64 C65 C66 C67 C68 C69 C70 C71 C72 C73 C74 C75 C76 C78 C79 C80 C81 C82 C83 C84 C85 C90 C91 C92 C93 C94 C95 C96 C97 C98 C99 C100 C114 C115 C116 C117 C118 C119 C120 C121 C122 C123 C124 C125 C126 C127 C128 C129 C130 C131 C132 C133 C134 C135 C136 C137 C138 C139 C140 C141 C142 C143 C144 C145 C146 C147 C148 C149 C150 C151 C152 C153 C154 C155 C156 C157 C158 C159 C160 C161 C162 C163 C164 C164 C165 C167 C168 C169 C170 C194: library part CAP0402-CAP, "<b>Capacitor</b> / Standard 0603 ceramic capacitor, and 0.1\" leaded capacitor.", PARTNO=CC0402ZRY5V7BB104
C8 C9 C10 C11 C15 C16 C40 C41 C46 C47 C48 C166 C171 C203 C204: "Capacitor", LatestRevisionDate=17-Jul-2002, LatestRevisionNote="Re-released for DXP Platform.", PackageDescription="Radial Cap, Thru-Hole; 2 Leads; 0.3 in Pin Spacing", PackageReference=RAD-0.3, Published=8-Jun-2000, Publisher="Altium Limited"
C12 C13 C14 C17 C18 C19 C20 C21 C22 C23 C24 C25 C26 C27 C28 C29 C30 C31 C32 C37 C38 C39 C77 C101 C102 C103 C104 C105 C106 C107 C108 C109 C110 C111 C112 C113 C172 C173 C174 C175 C176 C177 C178 C179 C180 C181 C182 C183 C184 C185 C186 C187 C188 C189 C190 C191 C192 C193 C195 C196 C197 C198 C199 C200 C201 C202 C209 C210: library part Cap, "Capacitor"
  C12 C13 C14 C17 C18 C19 C20 C21 C22 C23 C24 C25 C26 C27 C28 C29 C30 C31 C32 C101 C102 C103 C104 C105 C106 C107 C108 C109 C110 C111 C112 C113 C172 C176 C178 C179 C180 C185 C187 C188 C189 C192 C193 C195 C196 C197 C198 C199 C200 C201 C202 C209 C210: LatestRevisionDate=17-Jul-2002, LatestRevisionNote="Re-released for DXP Platform.", PackageDescription="Radial Cap, Thru-Hole; 2 Leads; 0.3 in Pin Spacing", PackageReference=RAD-0.3, Published=8-Jun-2000, Publisher="Altium Limited"
C42 C43 C44 C45 C86 C87 C88 C89 C205 C206 C207 C208: library part C, PSpiceTemplate="C^@REFDES %1 %2 ?TOLERANCE|C^@REFDES| @VALUE ?IC/IC=@IC/ ?TOLERANCE|\n.model C^@REFDES CAP C=1 DEV=@TOLERANCE%|", PCB DECAL=C0805, Source_Path=C:\USERS\EULER-SJ\DESKTOP\CHEN-PI2\LIBRARY1.OLB
D1 D2: library part "Diode 1N4148", "High Conductance Fast Diode", Code_JEDEC=DO-204-AH, ComponentLink1Description="Manufacturer Link", ComponentLink1URL=http://www.fairchildsemi.com/, ComponentLink2Description=Datasheet, ComponentLink2URL=http://www.fairchildsemi.com/ds/1N%2F1N4148.pdf, DatasheetVersion=1997, LatestRevisionDate=17-Jul-2002, LatestRevisionNote="Re-released for DXP Platform.", PackageDescription="Diode, Axial; Body 3.8 x 1.9 mm (LxDia. max), Lead Dia. 0.53 mm (max)", PackageReference=DO-35, Published=8-Jun-2000, Publisher="Altium Limited"
L2 L3 L47 L48 L49 L50: library part Inductor, "Inductor", Code_IEC=1005, Code_JEITA=0402, LatestRevisionDate=29-May-2009, LatestRevisionNote="IPC-7351 Footprint Added.", PackageDescription="Chip Inductor", PackageReference=0402-A, Published=8-Jun-2000, Publisher="Altium Limited"
L4 L5 L6 L7 L8 L9 L10 L11 L12 L13 L15 L16 L17 L18 L19 L20 L21 L22 L23 L24 L26 L27 L28 L29 L30 L31 L32 L33 L34 L35 L37 L38 L39 L40 L41 L42 L43 L44 L45 L46: library part L/2.5*2.0
LED1: "Typical INFRARED GaAs LED", LatestRevisionDate=08-Jul-2005, LatestRevisionNote="Mech Layer 1 removed.", PackageDescription="LED; 2 Leads", PackageReference=LED-0, Published=8-Jun-2000, Publisher="Altium Limited"
P3: "Connector SMD USB Micro Type B middle mount", Manufacturer 1="Molex Inc", Package / Case=SMD, Supplier Part Number 1=WM17142CT-ND, SCDType=undef, Supplier 1=Digi-Key
R1 R2 R3 R4 R5 R6 R7 R8 R9 R10 R11 R12 R13 R14 R15 R17 R18 R21 R22 R23 R24 R25 R26 R27 R28 R31 R32 R33 R34 R40 R41 R42 R43 R44 R45 R46 R47 R52 R54 R55 R56 R57 R70 R71 R72 R73 R74 R75 R76 R77 R78 R79 R80 R81: library part Res2, "Resistor"
  R1 R5 R6 R7 R8 R9 R11 R12 R14 R17 R18 R21 R22 R23 R24 R40 R47 R52 R54 R55 R56 R57 R76 R77 R78 R79 R80 R81: LatestRevisionDate=17-Jul-2002, LatestRevisionNote="Re-released for DXP Platform.", PackageDescription="Axial Device, Thru-Hole; 2 Leads; 0.4 in Pin Spacing", PackageReference=AXIAL-0.4, Published=8-Jun-2000, Publisher="Altium Limited"
R16 R19 R53 R58 R66 R68 R69: library part Res*4, "Resistor", LatestRevisionDate=17-Jul-2002, LatestRevisionNote="Re-released for DXP Platform.", PackageDescription="Axial Device, Thru-Hole; 2 Leads; 0.4 in Pin Spacing", PackageReference=AXIAL-0.4, Published=8-Jun-2000, Publisher="Altium Limited"
R20 R29 R30 R35 R36 R59 R60 R61 R62 R63: "Resistor", LatestRevisionDate=17-Jul-2002, LatestRevisionNote="Re-released for DXP Platform.", PackageDescription="Axial Device, Thru-Hole; 2 Leads; 0.4 in Pin Spacing", PackageReference=AXIAL-0.4, Published=8-Jun-2000, Publisher="Altium Limited"
SW1: "Switch", LatestRevisionDate=17-Jul-2002, LatestRevisionNote="Re-released for DXP Platform.", PackageDescription="Switch; 2 Leads", PackageReference=SPST-2, Published=24-Mar-1999, Publisher="Altium Limited"
U8: "ARM Cortex-M4 32-bit MCU+FPU, 210 DMIPS, 512 kB Flash, 192 kB Internal RAM, 82 I/Os, 100-pin LQFP, -40 to 85 degC, Tray", I/Os (High Current)=82, Manufacturer=STMicroelectronics, Operating Frequency(F) (Processor speed) (MHz)=168, Supplier Part Number 1=497-12075-ND, Supply Voltage(Vcc) max (V)=3.6, Supply Voltage(Vcc) min (V)=1.8, ComponentLink1Description="Manufacturer URL", ComponentLink1URL=http://www.st.com/web/en/home.html, ComponentLink2Description=Datasheet, ComponentLink2URL=http://www.st.com/st-web-ui/static/active/en/resource/technical/document/datasheet/DM00037051.pdf, ComponentLink3Description="Package Specification", ComponentLink3URL=http://www.st.com/st-web-ui/static/active/en/resource/technical/document/data_brief/DM00071938.pdf, Core="ARM Cortex-M4", D/A Converter=2x12-bit, DatasheetVersion="Rev. 4", FLASH Size (Prog) (kB)=512, Internal RAM Size (kB)=192, Mounting Technology="Surface Mount", PackageDescription="100-Pin Low Profile Quad Flat Package, 14 x 14 mm Body, 0.5 mm Pitch", PackageReference=LQFP100, PackageVersion="Rev. 1, 06/2013", Packing=Tray, PartNumber=STM32F407VET6, Supplier 1=Digi-Key, Supplier 2=Farnell, Supplier 3=Newark, Supplier 4=Mouser, Supplier Part Number 2=2064367, Supplier Part Number 3=73T2332, Supplier Part Number 4=511-STM32F407VET6
USB1: library part USB_Micro_TypeB, "Connector SMD USB Micro Type B middle mount", Manufacturer 1="Molex Inc", Manufacturer Part Number 1=47491-0001, Package / Case=SMD, Supplier Part Number 1=WM17142CT-ND, SCDType=undef, Supplier 1=Digi-Key
X1: library part OSCILLATOR-3.2X2.5, "Crystal Oscillator in 3.2x2.5 SMD"
L1 L14 L25 L36: Code_IEC=1005, Code_JEITA=0402, LatestRevisionDate=29-May-2009, LatestRevisionNote="IPC-7351 Footprint Added.", PackageDescription="Chip Inductor", PackageReference=0402-A, Published=8-Jun-2000, Publisher="Altium Limited"

## Via types
v1: diameter 19.68, hole 11.81, Top Layer to Bottom Layer, 478 vias
v2: diameter 17.72, hole 11.81, Top Layer to Bottom Layer, 464 vias
v3: diameter 20, hole 12, Top Layer to Bottom Layer, 16 vias

## Nets (pads, with @x,y where several pads share a name; then routed paths per layer and width w, separated by ;. In a path a pad name is that pad's centre, name@x,y a point inside that pad or via, vN(x,y) a via of type N, cw(c..) or ccw(c..) an arc to the next point about the centre after c; other vN are vias at no path point)
1.8D: C173.2 C182.2 C197.2 U21.22 U22.22 U25.5 | length 1665.2
  Top Layer w10: U22.22@-721.26,234.84 -720.1,236 v1@-690.37,236 ; v1(-431,240) -336.72,145.72 187.09,145.72 U25.5@234.84,97.96 ; C197.2@226.97,39.96 234.84,47.83 U25.5@234.84,97.96 ; v1(475.96,97.96) U25.5@234.84,97.96 ; v1(671,100) 671,194 C173.2@660,205 670.16,215.16 U21.22@701.26,215.16
  Bottom Layer w10: v1(-686,242) -684,240 v1(-431,240) ; v1(475.96,97.96) 668.96,97.96 v1(671,100)
3.3A: C17.2 C18.2 C21.2 C22.2 C23.2 C24.2 C102.2 C103.2 C104.2 C105.2 C174.2 C183.2 U5.5 U6.8 U6.23 U11.8 U11.23 U21.10 U22.10 | length 3930.4
  Top Layer w7: 919,184 920,183 920,83
  Top Layer w10: v1(-928,-60) C103.2@-935,-60 -935,-22 -1019,62 -1019,160 -978.96,200.04 C183.2@-919.09,200.04 -903.97,215.16 U22.10@-878.74,215.16 ; C103.2@-925,-70 v1(-925,-115) -888.42,-151.58 U11.8@-868.9,-151.58 ; C102.2@-750.79,-425.07 U11.23@-750.79,-348.43 ; U6.23@725.79,-151.58 725.79,-74.21 C22.2@750,-50 803,3 886,3 920,37 920,83 ; U6.8@843.9,-348.43 843.9,-355.9 890,-402 C21.2@890,-440 ; U21.10@858.74,234.84 889.84,234.84 C174.2@897,242 919,220 919,184
  Top Layer w30: U5.5@39.58,96.55 39.58,-22.06 C18.2@77.52,-60
  Signal Layer 1 w10: v1(-925,-115) -901,-115 -871,-145 -871,-300 -787,-384 v1(-758,-384)
  Signal Layer 1 w30: v1(762,-44) 874,-156 v1(874,-388)
  Bottom Layer w30: v1(-928,-60) 65,-60 v1(81,-44) v1(762,-44)
3.3D: C12.2 C20.2 C39.2 C40.2 C41.2 C101.2 C166.2 C175.2 C184.2 C191.2 C203.2 C204.2 R17.2 R29.2 R30.2 R35.2 R36.2 R57.1 R59.2 R61.1 R62.2 U3.5 U6.1 U8.6 U8.11 U8.19 U8.21 U8.22 U8.28 U8.50 U8.75 U8.100 U11.1 U17.13 U17.14 U21.21 U22.21 U23.13 U23.14 | length 7803.8
  Top Layer w6: R62.2@-829.09,390.04 -829.09,384 -814.44,369.35 -813.36,369.35 -813.2,369.2 v1(-702.2,369.2)
  Top Layer w10: U17.13@-841.61,-903.92 -816.92,-903.92 -788,-875 C191.2@-773,-875 -783.45,-864.55 v1(-789,-864.55) U17.14@-821.93,-864.55 ; U11.1@-731.1,-151.58 -731.1,-145.39 C101.2@-703.79,-118.07 -692.87,-107.16 -617.84,-107.16 ; U22.21@-721.26,215.16 v1(-699,215.16) -689.2,215.16 C184.2@-679.09,205.04 ; v1(-682,-14) -682,-43 -617.84,-107.16 ; R36.2@-598.79,-198.07 R35.2@-598.79,-158.07 -598.79,-126.21 v1(-602.5,-122.5) -617.84,-107.16 ; C41.2@-375,-955 -351.22,-931.22 U8.50@-297.24,-931.22 -296.79,-931.68 -213.68,-931.68 -171,-889 v1(-171,-457) ; C203.2@-368.15,-498.15 U8.28@-297.24,-498.15 -263.49,-498.15 -222.34,-457 v1(-171,-457) ; v1@-177.17,-450.83 U8.22@-177.17,-397.76 C204.2@-177.17,-333.17 ; C204.2@-173,-329 -157.48,-344.52 U8.21@-157.48,-397.76 -157.48,-443.48 v1(-171,-457) ; U8.19@-118.11,-397.76 -118.11,-443.11 -132,-457 v1(-171,-457) ; v1(39.37,-456.37) U8.11@39.37,-397.76 ; v1(137.8,-457.8) U8.6@137.8,-397.76 ; U8.75@236.22,-1002.24 236.22,-1041.22 C40.2@265,-1070 332,-1070 v1(356,-1094) ; U8.100@297.24,-458.78 C166.2@356,-458.78 ; R29.2@574.91,-362.96 574.91,-384.91 v1(587,-397) 698,-397 C20.2@700,-395 706.1,-388.9 U6.1@706.1,-348.43 ; R29.2@575.31,-362.56 R57.1@575.31,-290 ; v1(586,282) 642,282 660,264 C175.2@660,245 ; v1(668,-829) 668,-938 R17.2@685,-955 ; v1(671,290) 671,256 C175.2@660,245 ; U21.21@701.26,234.84 670.16,234.84 C175.2@660,245 ; v1(703,386) 709,380 R61.1@745.31,380 ; v1(759,-829) 763,-825 C39.2@784,-825 793.16,-834.16 U23.14@825.94,-834.16 ; C39.2@790,-819 821.42,-819 U23.13@845.63,-794.79 ; v1(804,37) 805,38 R59.2@805,55
  Top Layer w20: C204.2@-173,-329 -172.16,-328.16 -172.16,23.31 C12.2@-155.47,40 -148.55,46.92 U3.5@-148.55,98.41
  Signal Layer 1 w6: v1@-704.84,221 -704.84,366.55 v1(-702.2,369.2)
  Signal Layer 1 w10: v1(-699,215.16) -682,198.16 v1(-682,-14) ; v1(356,-1094) 351.16,-1089.16 351.16,-461.84 v1(356,-457) ; v1(586,282) 587,281 v1(587,-397)
  Bottom Layer w10: v1(-789,-864.55) -788.71,-864.84 -172.84,-864.84 v1(-172,-864) ; v1(-602.5,-122.5) v1(-173.5,-122.5) ; v1(-171,-457) v1(356,-457) 356,-438 397,-397 v1(587,-397) ; v1(353,-815) 367,-829 v1(668,-829) v1(759,-829) ; v1(586,51) 600,37 v1(804,37) ; v1(671,290) 703,322 v1(703,386)
3.3LO: C1.2 C2.2 C3.2 C4.2 C36.2 C164.2@-299,707 C195.2 R11.1 R12.1 U1.5 U13.10 U13.11 U13.14 U13.18 U13.20 U24.5 | length 692.2
  Top Layer w10: U1.5@-386,677.99 -386,707 -374,719 -311,719 C164.2@-299,707 ; C1.2@-121.69,551.48 v1(-110.21,562.96) ; C2.2@-121.69,666.48 v1(-113.1,657.9) -92.06,636.85 U13.11@-63.43,636.85 ; v1@-108.53,564.64 v1(-110.21,562.96) ; U13.14@-63.43,577.8 -95.37,577.79 v1(-110.21,562.96) ; C3.2@-63,729 v1(-63,716) -24.06,677.06 U13.10@-24.06,676.22 ; v1(15.31,486.31) U13.18@15.31,518.74 ; U13.20@54.68,518.74 54.68,511.32 v1(69,497) ; C195.2@156.83,725.54 v1(167,725.54) v1(191,725.54) U24.5@206.96,725.54 ; R12.1@199.58,626.68 v1(199.58,648) R11.1@199.58,666.68
  Bottom Layer w10: v1(-285,708) -163.21,708 v1(-113.1,657.9) ; v1(15.31,486.31) C4.2@15.31,498.74
3.3MIX1: C60.2 C82.2 C199.2 R25.2 R28.2 R31.2 R33.2 U9.2 U9.7 U18.2 U18.7 U26.5 | length 1655.4
  Top Layer w10: v1(-1698,317) -1665,284 v1(-1538,284) -1538,448 -1493,493 v1(-1493,663) ; v1(-1695,677) -1660,642 -1514,642 v1(-1493,663) ; v1(-1447,916) -1493,870 v1(-1493,663)
  Bottom Layer w10: v1(-1698,317) -1689.84,325.16 U18.2@-1669.06,325.16 ; v1(-1695,677) -1686.84,685.16 U9.2@-1664.06,685.16 ; U18.7@-1550.94,325.16 -1510.16,325.16 R28.2@-1490,305 ; U9.7@-1545.94,685.16 -1515.16,685.16 v1(-1493,663) -1477,663 R25.2@-1475,665 -1450,665 ; v1(-1538,284) -1511,284 R28.2@-1490,305 ; C60.2@-1450,285 -1470,305 ; R31.2@-1450,325 -1470,305 ; v1(-1447,916) -1447,943 -1412.6,977.4 U26.5@-1324,977.4 ; C82.2@-1435,650 -1450,665 ; R33.2@-1435,685 -1435,680 -1450,665 ; R28.2@-1490,305 -1470,305
3.3MIX2: C118.2 C143.2 C201.2 R41.2 R42.2 R44.2 R45.2 U14.2 U14.7 U16.2 U16.7 U27.5 | length 1380.1
  Top Layer w10: v1(1688.48,237.48) 1645.96,280 v1(1488,280) 1488,632 v1(1511,655) 1550,694 1651,694 1690.23,654.77 v1(1690.23,648.23)
  Bottom Layer w10: U27.5@1339.71,802.58 C201.2@1392.11,802.58 ; C201.2@1400,810.47 1418,792.47 1418,707.39 C118.2@1442.01,683.39 ; R42.2@1442.01,648.39 C118.2@1442.01,683.39 ; R45.2@1446.42,237.64 1466.42,237.64 R44.2@1486.42,257.64 ; C143.2@1486.42,292.64 R44.2@1486.42,257.64 ; v1(1511,655) 1511,649.23 v1@1510,648.23 ; U16.7@1547.36,237.48 1506.58,237.48 R44.2@1486.42,257.64 ; U14.7@1547.95,648.23 v1@1510,648.23 ; U16.2@1665.47,237.48 v1(1688.48,237.48) ; U14.2@1666.06,648.23 v1(1690.23,648.23) ; C118.2@1442.01,683.39 1467.01,683.39 R41.2@1482.01,668.39 1502.17,648.23 v1@1510,648.23
3.3OSC: C5.2 C6.2 C7.2 C33.2 C34.2 C49.2 C50.2 C55.2 C192.2 C194.2 R2.1 R3.1 R4.1 R10.1 R13.1 R15.1 R26.1 R70.1 R71.2 R72.2 U12.2 U12.5 U12.10 U12.20 U12.23 U12.28 U12.30 U15.6 U20.5 Y1.4 Y2.6 | length 934.8
  Top Layer w6: R2.1@-119.69,1360 v1(-119.69,1378) R10.1@-119.69,1396 ; v1(-98.74,1201.26) U12.5@-74.84,1201.26 ; U12.30@-2.01,1313.46 -2.48,1313.94 v1(-2.48,1350) C7.2@-2.48,1371.1 v1@26.31,1342.31 ; v1(32.69,1342.31) v1@26.31,1342.31 ; U12.28@37.36,1313.46 37.36,1331.26 v1@26.31,1342.31 ; C192.2@226.21,1346.19 v1(243.13,1346.19) U20.5@279.34,1346.19 ; C192.2@233.09,1339.31 v1(267.31,1339.31) U20.5@286.21,1339.31
  Top Layer w10: R71.2@-614,1188 -614,1180 v1(-595.91,1161.91) R26.1@-595.91,1147.95 ; C50.2@-613.95,1379.77 Y2.6@-545.83,1379.77 ; v1(-468,1148) R72.2@-444,1148 ; Y1.4@-242.68,936.54 v1(-212.48,966.73) C55.2@-212.48,981.1 ; R70.1@-228,1344.69 -228,1358 v1(-223,1363) ; v1(-105,1264) -101.31,1260.31 U12.2@-74.84,1260.32 ; C49.2@-77.48,931.1 v1(-58,931.1) R15.1@-37.8,931.1 ; R4.1@-72.48,1016.42 v1(-72.48,1027.48) ; R15.1@-37.48,930.79 -19.73,948.53 U15.6@6.4,948.54 ; C5.2@-32.48,1041.1 -21.69,1051.89 v1@-21.69,1073 ; v1(-29,1073) v1@-21.69,1073 ; U12.10@-21.69,1108.74 v1@-21.69,1073 ; v1(37.52,985.48) R3.1@37.52,1001.42 ; U12.20@129.88,1201.26 v1(157.26,1201.26) ; U12.23@129.88,1260.32 149.31,1260.31 155,1266 v1(160,1266) ; R13.1@142.52,1001.42 146,997.94 v1(146,987)
  Bottom Layer w10: v1(-105,1264) C194.2@-79,1264 ; v1(-98.74,1201.26) C33.2@-76.26,1201.26 ; C6.2@126.26,1201.26 v1(157.26,1201.26) ; C34.2@131,1266 v1(160,1266)
  other v1: -628.23,1379.77